# Altium PCB MB1397.PcbDoc (part 9 of 11)
Units mm, origin at the board's own origin, x right, y up, seen from the top; angles counter-clockwise.
Board outline 118.24 x 172.86 mm, 6 copper layers (Top Layer, L2_GND, L3_VCC, L4_SIG, L5_GND, Bottom Layer), stack 1.631 mm thick; 819 components, 632 nets, 2875 pads, 1523 vias.
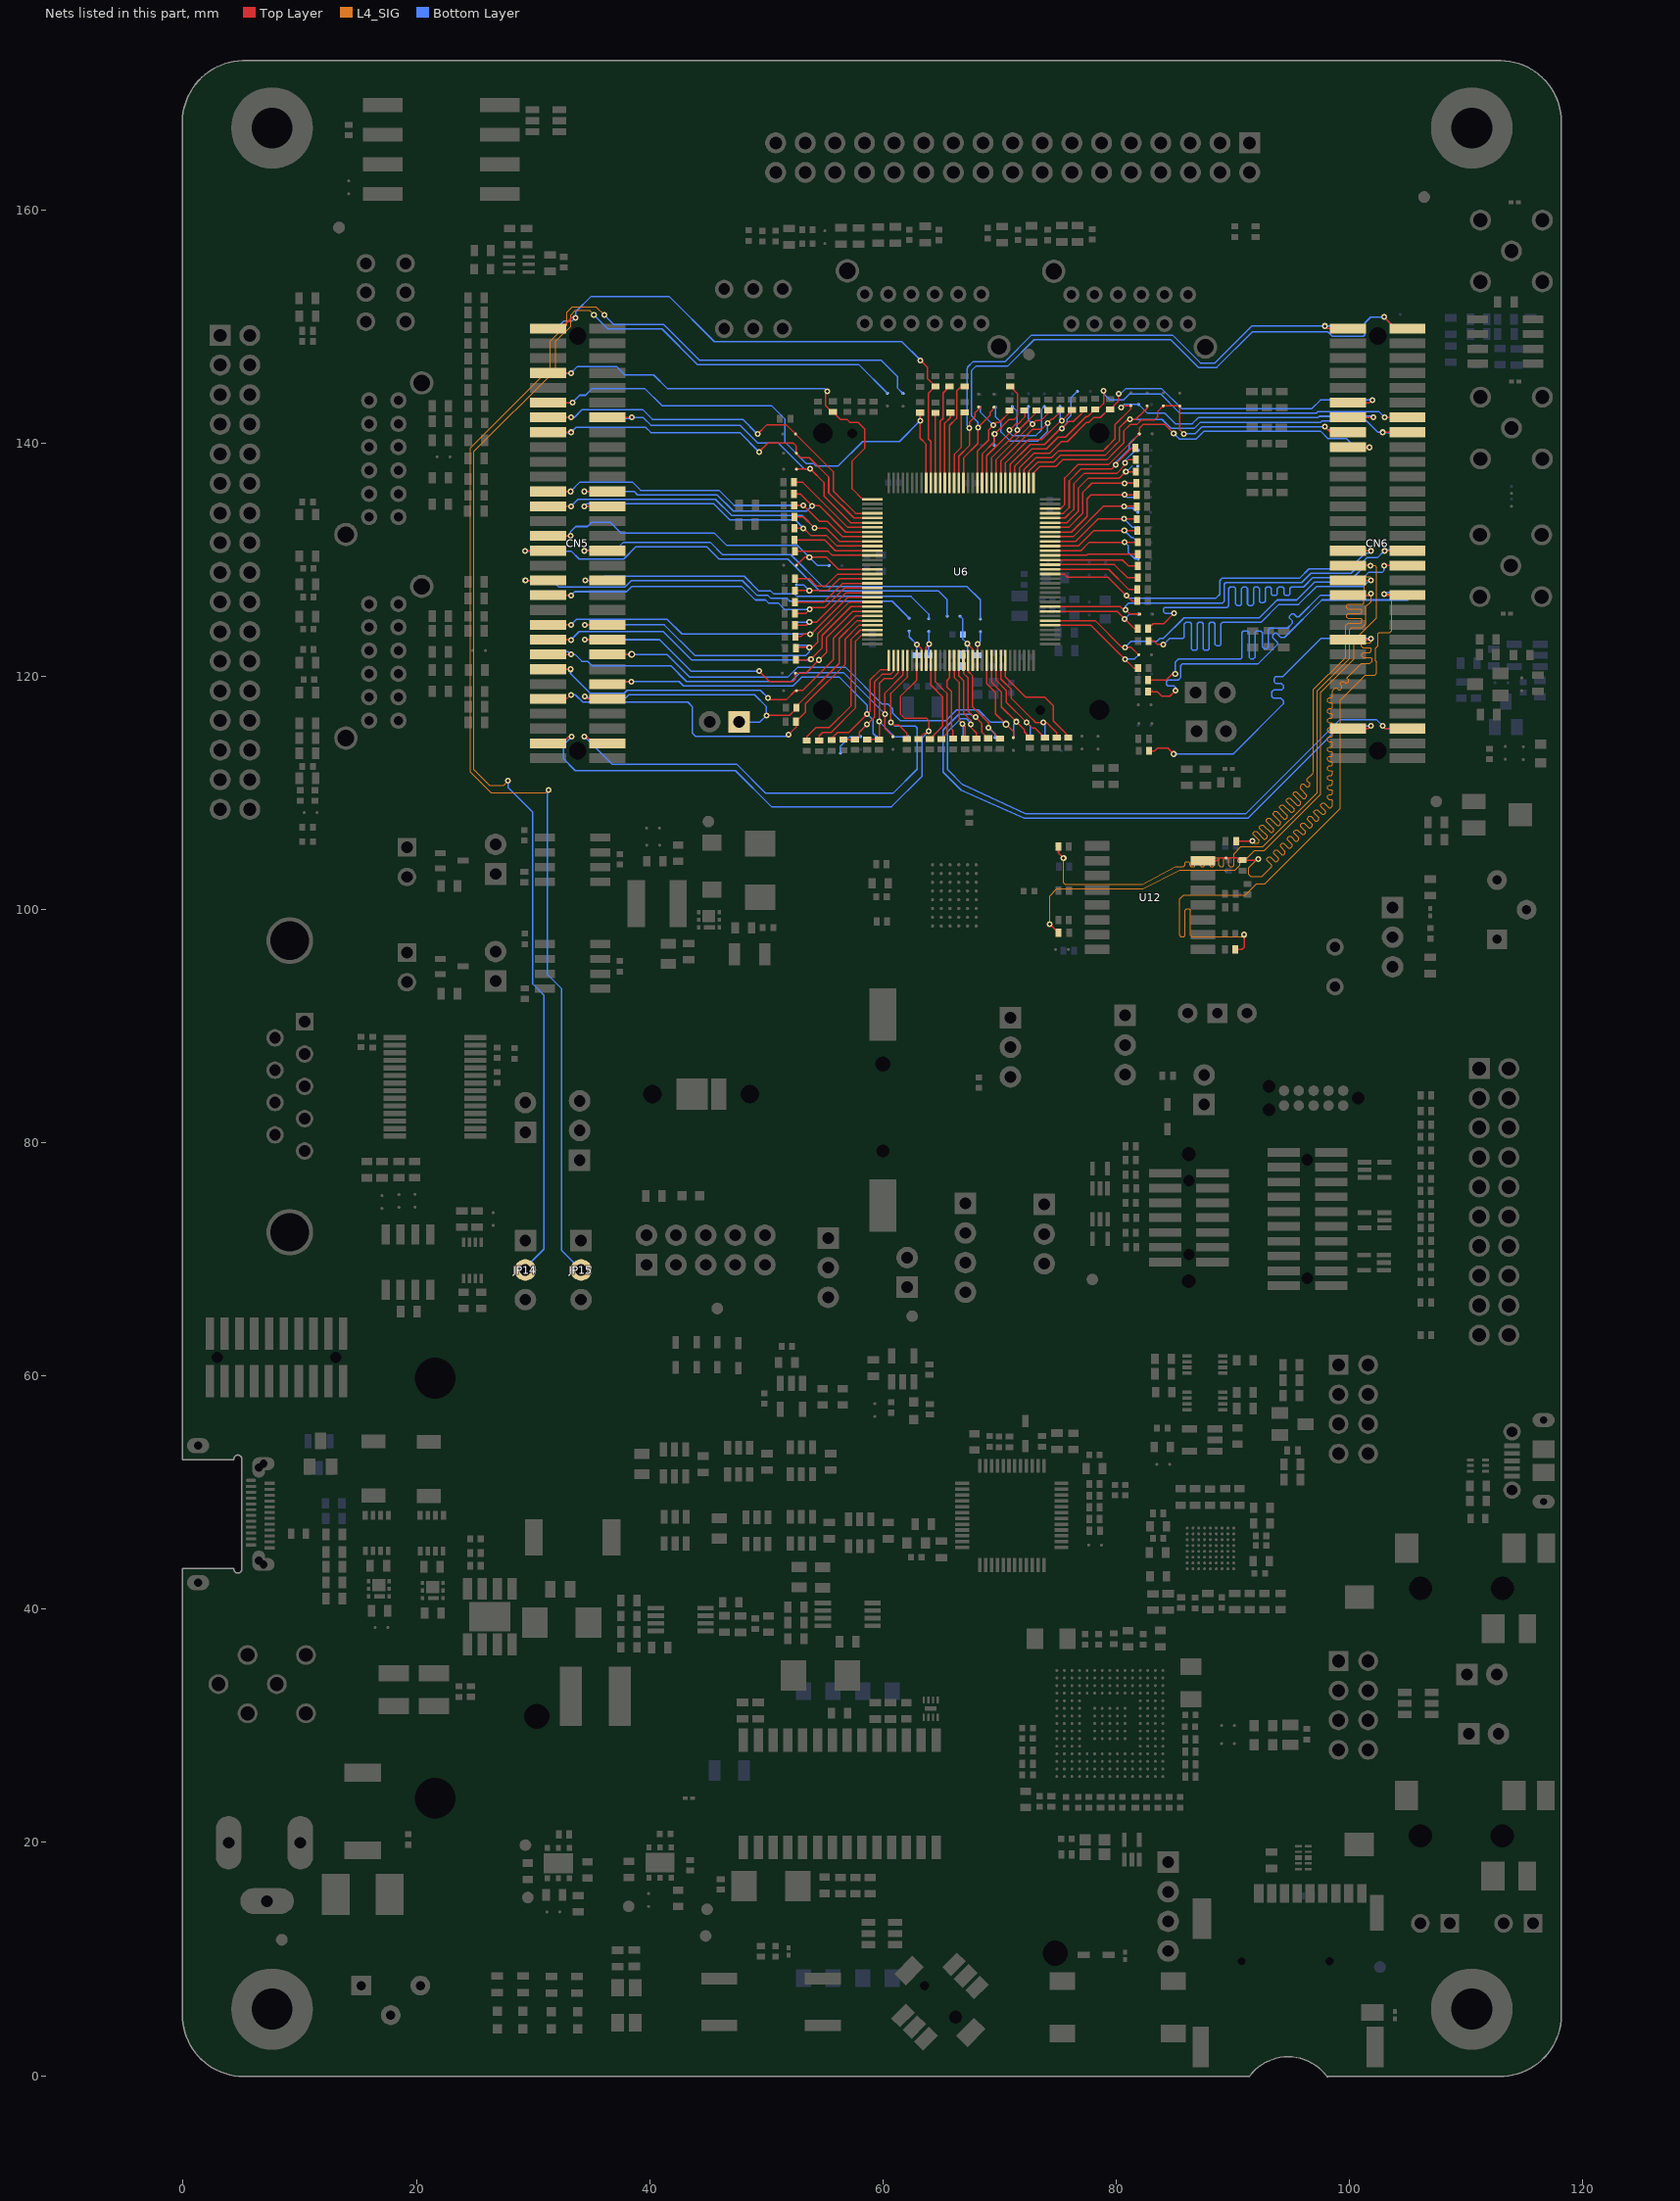
[diagram p13: the nets of this part, all layers, seen from the top]

## Via types
v1: diameter 0.508, hole 0.254, Top Layer to Bottom Layer, tented both sides, 1330 vias
v2: diameter 0.406, hole 0.203, Top Layer to Bottom Layer, tented both sides, 115 vias
v3: diameter 0.508, hole 0.254, Top Layer to Bottom Layer, 33 vias
v4: diameter 0.305, hole 0.152, Top Layer to Bottom Layer, tented both sides, 26 vias
v5: diameter 0.61, hole 0.305, Top Layer to Bottom Layer, tented both sides, 14 vias
v6: diameter 0.61, hole 0.33, Top Layer to Bottom Layer, tented both sides, 2 vias
v7: diameter 0.381, hole 0.203, Top Layer to Bottom Layer, tented both sides, 2 vias
v8: diameter 0.508, hole 0.203, Top Layer to Bottom Layer, tented both sides, 1 vias

## Nets (pads, with @x,y where several pads share a name; then routed paths per layer and width w, separated by ;. In a path a pad name is that pad's centre, name@x,y a point inside that pad or via, vN(x,y) a via of type N, cw(c..) or ccw(c..) an arc to the next point about the centre after c; other vN are vias at no path point) (continued)
PB1: R102.1 SB91.2 U6.40 | length 9.5
  Top Layer w0.127: U6.40@74.323,125.566 80.068,125.565 v1(80.729,124.907) 81.557,124.079 R102.1@81.844,124.079
  Bottom Layer w0.127: v1(80.729,124.907) 81.148,125.324 SB91.2@81.898,125.324
PB2: CN6.32 SB18.1 SB80.2 U6.41 | length 36.6
  Top Layer w0.127: U6.41@74.323,125.948 74.495,125.948 74.517,125.97 80.329,125.97 80.594,125.705 v1(80.797,125.705) 81.178,125.324 SB18.1@82.025,125.324 ; v1(102.997,130.759) CN6.32@104.965,130.761
  Bottom Layer w0.127: v1(80.797,125.705) 80.797,126.009 81.05,126.262 81.253,126.262 81.277,126.286 89.126,126.286 89.266,126.426 89.266,127.912 89.393,128.039 95.9,128.039 96.688,128.826 100.145,128.826 101.476,130.16 102.398,130.16 v1(102.997,130.759) 103.096,130.858 SB80.2@104.275,130.858
PB3: CN5.41 R107.1 U6.118 | length 31.3
  Top Layer w0.127: CN5.41@31.285,124.411 v1(33.246,124.409) ; R107.1@52.495,123.393 52.967,123.393 53.193,123.619 v1(53.739,123.619) 53.998,123.619 54.026,123.647 54.026,123.812 56.98,126.766 59.083,126.766 U6.118@59.083,126.766
  Bottom Layer w0.127: v1(33.246,124.409) 33.726,124.889 41.501,124.889 42.771,123.619 v1(53.739,123.619)
PB4: CN5.42 R109.2 SB96.1 U6.119 | length 32.7
  Top Layer w0.127: v1(34.44,124.409) CN5.42@36.385,124.411 ; R109.2@52.528,122.411 52.593,122.476 v1(53.693,122.476) 53.947,122.476 54.407,122.936 54.407,123.652 57.12,126.365 U6.119@59.083,126.366
  Bottom Layer w0.127: v1(34.44,124.409) 41.247,124.409 43.878,121.778 53.376,121.778 53.693,122.095 v1(53.693,122.476) 53.513,122.657 SB96.1@52.472,122.657
PB5: CN5.43 R112.1 U6.120 | length 32.9
  Top Layer w0.127: CN5.43@31.285,123.141 33.218,123.139 v1(33.246,123.111) ; R112.1@52.528,121.412 53.772,121.412 v1(53.82,121.46) 54.788,122.428 54.788,123.492 57.262,125.966 59.083,125.966 U6.120@59.083,125.966
  Bottom Layer w0.127: v1(33.246,123.111) 33.96,123.825 41.168,123.825 43.597,121.397 53.533,121.397 53.597,121.46 v1(53.82,121.46)
PB6: CN5.44 SB21.1 U6.121 | length 31.6
  Top Layer w0.127: v1(34.44,123.139) CN5.44@36.385,123.141 ; v1(49.375,120.444) 50.289,119.53 52.258,119.53 52.479,119.748 SB21.1@52.479,120.264 ; SB21.1@52.487,120.269 53.391,120.269 v1(54.519,121.397) 55.169,122.047 55.169,123.307 57.427,125.565 U6.121@59.083,125.566
  Bottom Layer w0.127: v1(34.44,123.139) 40.836,123.139 43.536,120.444 v1(49.375,120.444)
PB7: CN5.47 SB23.2 U6.122 | length 33.4
  Top Layer w0.127: CN5.47@31.285,120.601 v1(33.221,120.599) ; v1(50.137,118.158) 50.312,117.983 51.702,117.983 52.514,118.793 53.134,118.793 55.753,121.412 55.753,123.274 57.645,125.166 U6.122@59.083,125.166
  Bottom Layer w0.127: v1(33.221,120.599) 33.221,120.216 34.897,118.539 37.818,118.539 38.072,118.793 49.502,118.793 v1(50.137,118.158)
PB8: CN5.52 JP1.1 R123.2 U6.123 | length 35.6
  Top Layer w0.127: v1(34.44,118.285) 34.666,118.059 CN5.52@36.385,118.061 ; v1(50.01,116.634) 50.043,116.667 52.017,116.667 52.611,117.259 R123.2@52.621,117.269 ; R123.2@52.574,117.299 R123.2@52.621,117.297 ; R123.2@52.619,117.269 R123.2@52.621,117.269 ; U6.123@59.083,124.766 57.785,124.765 56.261,123.241 56.261,121.1 52.621,117.46 R123.2@52.621,117.297 ; R123.2@52.621,117.269 R123.2@52.621,117.297
  Bottom Layer w0.127: v1(34.44,118.285) 34.567,118.158 37.976,118.158 38.23,118.412 48.992,118.412 50.01,117.394 v1(50.01,116.634) 49.431,116.055 JP1.1@47.495,116.055
PB9: CN5.51 R127.1 U6.124 | length 36.7
  Top Layer w0.127: CN5.51@31.285,118.061 32.893,118.059 v1(33.246,118.412) ; v1(51.915,114.983) 52.545,115.613 R127.1@52.547,116.098 ; R127.1@52.547,116.098 53.365,116.916 53.365,117.64 53.784,118.059 53.784,118.073 53.876,118.164 53.89,118.164 56.769,121.044 56.769,123.208 57.925,124.363 U6.124@59.083,124.363
  Bottom Layer w0.127: v1(33.246,118.412) 33.627,118.412 34.262,117.777 43.279,117.777 43.66,117.396 43.66,115.11 43.914,114.856 51.788,114.856 v1(51.915,114.983)
PB10: CN6.17 SB11.1 SB71.2 U6.62 | length 34.6
  Top Layer w0.127: U6.62@74.981,134.366 75.235,134.366 75.59,134.722 75.59,137.008 76.733,138.15 79.338,138.15 79.365,138.176 SB11.1@81.978,140.788 81.978,141.262 82.118,141.402 82.166,141.453 82.319,141.605 84.145,141.605 v1(84.935,140.815) ; CN6.17@99.865,139.651 101.669,139.649 v1(101.699,139.621)
  Bottom Layer w0.127: v1(84.935,140.815) 85.402,140.345 86.863,140.345 87.536,141.018 97.508,141.018 98.143,140.383 99.736,140.383 SB71.2@100.465,139.652 ; SB71.2@100.429,139.621 v1(101.699,139.621)
PB11: CN6.15 SB8.1 SB10.1 SB67.2 U6.65 | length 35.1
  Top Layer w0.127: U6.65@72.903,136.586 72.903,137.447 73.426,137.97 74.823,137.97 75.408,138.554 79.199,138.554 79.863,139.215 80.64,139.995 80.64,141.028 81.191,141.58 81.755,141.58 82.159,141.983 83.309,141.983 83.411,142.085 83.411,142.11 83.538,142.237 83.538,142.677 84.046,143.185 SB10.1@85.443,143.185 ; SB10.1@85.443,143.172 85.443,141.145 v1(85.799,140.79) ; v1(97.889,141.399) 98.367,140.922 99.865,140.922 CN6.15@99.865,140.921
  Bottom Layer w0.127: v1(85.799,140.79) 86.769,140.79 87.379,141.399 v1(97.889,141.399) 98.143,141.145 SB67.2@99.192,141.145
PB12: CN6.16 SB7.1 SB65.2 U6.66 | length 40.5
  Top Layer w0.127: U6.66@72.503,136.586 72.502,137.549 ; SB7.1@82.649,143.185 82.649,142.974 82.039,142.364 81.999,142.364 81.658,142.024 v1(81.176,142.024) 80.988,142.024 80.259,141.295 80.259,140.157 79.972,139.87 79.591,139.487 79.046,138.938 75.202,138.938 74.615,138.351 73.266,138.351 72.522,137.607 ; v1(102.842,140.922) 104.965,140.922 CN6.16@104.965,140.921 ; 72.502,137.549 72.522,137.569 72.522,137.607 ; 72.502,137.549 72.502,137.587 72.522,137.607
  Bottom Layer w0.127: v1(81.176,142.024) 83.929,142.024 84.681,141.272 86.713,141.272 87.221,141.78 97.539,141.78 97.666,141.907 101.445,141.907 102.431,140.922 v1(102.842,140.922) 102.873,140.891 SB65.2@104.275,140.891
PB13: CN6.13 SB5.1 SB63.2 U6.67 | length 39.2
  Top Layer w0.127: U6.67@72.103,136.586 72.103,137.729 73.106,138.732 74.455,138.732 74.861,139.138 74.867,139.138 75.045,139.316 78.88,139.316 79.093,139.53 79.591,140.033 79.591,140.048 79.878,140.335 79.878,141.549 81.252,142.923 81.252,143.185 80.548,143.185 v1(80.416,143.053) ; CN6.13@99.865,142.191 99.865,142.192 v1(102.052,142.192)
  Bottom Layer w0.127: v1(80.416,143.053) 80.668,143.304 81.923,143.304 81.923,143.307 82.685,142.542 84.173,142.542 85.06,141.653 86.517,141.653 87.048,142.187 97.31,142.187 97.412,142.288 101.953,142.288 v1(102.052,142.192)
PB14: CN6.11 R35.1 U6.68 | length 37.9
  Top Layer w0.127: U6.68@71.703,136.586 71.702,137.869 72.946,139.113 74.29,139.113 75.306,140.129 75.822,140.129 77.47,141.778 77.663,141.778 78.075,142.189 78.641,142.189 79.327,142.875 R35.1@79.477,142.875 80.211,143.609 v1(80.211,144.219) ; R35.1@79.576,142.875 R35.1@79.599,142.875 ; CN6.11@99.865,143.461 99.865,143.462 101.73,143.462 v1(101.953,143.685)
  Bottom Layer w0.127: v1(80.211,144.219) 80.388,144.219 80.846,144.676 83.873,144.676 85.601,142.949 96.771,142.949 97.508,143.685 101.651,143.685 101.651,143.683 v1(101.953,143.685)
PB15: CN6.14 R36.1 U6.69 | length 40
  Top Layer w0.127: U6.69@71.303,136.586 71.303,137.975 71.321,137.993 71.321,138.029 72.786,139.494 74.013,139.494 75.029,140.51 75.662,140.51 77.417,142.265 77.576,142.265 R36.1@78.194,142.883 78.431,142.883 78.918,143.37 v1(78.918,144.475) ; R36.1@78.248,142.775 78.249,142.775 R36.1@78.268,142.753 ; v1(103.033,142.192) 104.965,142.192 CN6.14@104.965,142.191
  Bottom Layer w0.127: v1(78.918,144.475) 78.918,144.239 79.472,143.685 80.617,143.685 81.125,144.193 83.812,144.193 85.336,142.669 85.339,142.669 85.443,142.568 97.152,142.568 97.254,142.669 102.552,142.669 v1(103.033,142.192)
PC0: CN5.46 SB29.2 SB99.2 U6.22 | length 47.4
  Top Layer w0.127: CN5.46@36.385,121.871 v6(38.453,121.869) ; U6.22@68.903,121.346 68.903,119.362 69.652,118.613 69.652,116.784 v6(70.549,115.888) 71.219,115.217 SB29.2@71.219,114.694
  Bottom Layer w0.127: SB99.2@36.998,121.895 37.023,121.869 v6(38.453,121.869) 41.478,121.869 43.411,119.936 51.864,119.936 52.705,120.777 56.769,120.777 59.944,117.602 60.452,117.602 60.833,117.221 60.833,116.84 61.468,116.202 65.405,116.202 66.322,117.119 68.174,117.119 69.215,116.078 70.358,116.078 v6(70.549,115.888)
PC1: R130.2 SB115.2 U6.23 | length 9.8
  Top Layer w0.127: U6.23@69.303,121.346 69.301,119.504 70.155,118.651 70.155,117.373 v1(71.425,116.103) 72.128,115.4 72.128,115.225 R130.2@72.603,114.75 72.796,114.75 R130.2@72.796,114.739
  Bottom Layer w0.127: SB115.2@71.219,114.694 71.219,115.898 v1(71.425,116.103) v1@71.598,116.103
PC2: R133.2 SB113.2 U6.24 | length 10
  Top Layer w0.127: U6.24@69.703,121.346 69.703,119.644 70.561,118.786 70.561,117.793 v1(72.319,116.035) 72.784,115.57 73.016,115.57 73.848,114.739 R133.2@73.889,114.739 ; R133.2@73.889,114.738 R133.2@73.889,114.738
  Bottom Layer w0.127: v1(72.319,116.035) 72.616,115.738 ; 72.603,115.026 72.616,115.014 ; SB113.2@72.616,114.696 72.616,115.014 ; 72.616,115.776 72.616,115.738 ; 72.616,115.014 72.616,115.738
PC3: R131.2 SB114.2 U6.25 | length 10.5
  Top Layer w0.127: U6.25@70.103,121.346 70.122,121.346 70.122,119.766 71.012,118.876 71.012,118.106 72.778,116.34 ; 72.793,116.325 73.09,116.027 v1(73.736,116.027) 74.038,116.027 74.889,115.179 74.889,114.75 R131.2@74.888,114.75
  Bottom Layer w0.127: v1(73.736,116.027) 73.886,115.877 73.886,115.014 ; SB114.2@73.886,114.694 73.886,115.014 ; 73.889,115.016 73.886,115.014
PC4: R116.2 SB100.2 U6.37 | length 10.4
  Top Layer w0.127: U6.37@74.323,124.363 U6.37@74.323,124.366 77.841,124.366 v1(80.744,121.46) 81.504,120.701 R116.2@81.871,120.701
  Bottom Layer w0.127: v1(80.744,121.46) 81.542,121.46 SB100.2@81.922,121.841
PC5: CN6.34 SB20.2 U6.38 | length 36.2
  Top Layer w0.127: U6.38@74.323,124.766 78.202,124.765 80.49,122.476 v1(80.744,122.476) 81.29,122.476 SB20.2@81.925,121.844 ; v1(102.969,129.489) CN6.34@104.965,129.491
  Bottom Layer w0.127: v1(80.744,122.476) 81.277,123.01 83.513,123.01 83.741,123.238 84.046,123.238 85.824,125.016 92.271,125.016 93.795,126.54 95.479,126.54 97.003,128.064 100.81,128.064 101.674,128.928 102.842,128.928 102.969,129.055 v1(102.969,129.489)
PC6: CN6.2 SB9.2 SB49.2 U6.80 | length 57
  Top Layer w0.127: U6.80@66.903,136.586 66.904,136.586 66.904,138.709 68.146,139.951 v1(68.146,141.323) 69.197,142.377 69.197,142.634 SB9.2@69.642,143.078 ; v1(102.969,150.797) 103.957,149.812 104.965,149.812 CN6.2@104.965,149.811
  Bottom Layer w0.127: v1(68.146,141.323) 68.146,141.78 67.612,142.314 67.612,146.225 67.993,146.606 70.711,146.606 72.972,148.867 84.656,148.867 87.043,146.479 88.618,146.479 91.666,149.527 98.143,149.527 98.524,149.146 101.191,149.146 101.318,149.273 101.318,150.289 101.826,150.797 v1(102.969,150.797) 103.822,149.944 SB49.2@104.366,149.944
PC7: CN6.1 SB6.2 SB50.2 U6.81 | length 50.1
  Top Layer w0.127: U6.81@66.503,136.586 66.502,138.872 67.409,139.779 v1(67.409,141.272) 67.409,141.755 67.892,142.237 67.892,142.591 68.402,143.101 ; v1(97.889,150.035) 98.113,149.812 99.865,149.812 CN6.1@99.865,149.811
  Bottom Layer w0.127: v1(67.409,141.272) 67.231,141.45 67.231,146.383 67.257,146.408 67.257,146.505 67.739,146.987 70.482,146.987 72.743,149.248 84.833,149.248 87.221,146.86 88.461,146.86 91.636,150.035 v1(97.889,150.035) 97.892,150.038 99.195,150.038 SB50.2@99.195,150.035
PC8: CN5.1 R26.2 SB51.2 U6.87 | length 49.2
  Top Layer w0.127: CN5.1@31.285,149.811 32.385,149.809 33.322,150.746 v1(33.652,150.746) ; v1(63.218,147.089) 63.802,146.505 63.802,145.537 R26.2@64.501,144.838 ; U6.87@64.103,136.586 64.102,140.134 63.906,140.332 63.906,144.272 64.47,144.838 R26.2@64.501,144.838 ; R26.2@64.501,144.838 R26.2@64.501,144.838
  Bottom Layer w0.127: SB51.2@31.918,149.809 32.004,149.809 32.662,150.467 33.373,150.467 v1(33.652,150.746) 33.652,151.254 34.973,152.575 41.653,152.575 45.54,148.689 61.615,148.689 v1(63.218,147.089)
PC9: CN5.11 R49.2 U6.88 | length 44.2
  Top Layer w0.127: CN5.11@31.285,143.461 31.285,143.462 v1(33.373,143.462) ; R49.2@63.19,142.601 v1(63.19,141.907) 63.19,140.414 63.703,139.901 U6.88@63.703,136.586
  Bottom Layer w0.127: v1(33.373,143.462) 34.006,144.094 34.493,144.094 35.075,144.676 39.571,144.676 41.044,143.203 50.442,143.203 51.61,142.034 51.61,140.053 53.439,138.224 54.049,138.224 54.251,138.022 56.157,138.022 58.265,140.129 61.412,140.129 v1(63.19,141.907)
PC10: CN5.13 SB12.2 SB64.2 U6.100 | length 35.5
  Top Layer w0.127: CN5.13@31.285,142.191 33.244,142.189 v1(33.246,142.192) ; v1(49.248,140.764) 50.028,141.544 51.734,141.544 ; 52.288,140.988 51.734,141.544 ; U6.100@59.083,133.966 57.661,133.965 55.733,135.893 55.733,137.546 51.735,141.544
  Bottom Layer w0.127: SB64.2@31.971,142.24 32.019,142.192 v1(33.246,142.192) 33.531,142.192 34.214,142.875 39.39,142.875 40.229,142.034 47.976,142.034 v1(49.248,140.764)
PC11: CN5.15 SB13.2 SB68.2 U6.101 | length 34.3
  Top Layer w0.127: CN5.15@31.285,140.921 31.285,140.922 v1(33.246,140.922) ; v1(49.375,139.24) 50.137,140.002 52.296,140.002 52.575,139.725 SB13.2@52.575,139.118 ; SB13.2@52.574,139.119 SB13.2@52.575,139.118 ; U6.101@59.083,133.566 57.506,133.566 55.352,135.72 55.352,137.074 53.693,138.732 52.959,138.732 SB13.2@52.575,139.118
  Bottom Layer w0.127: SB68.2@31.943,140.891 33.218,140.891 v1(33.246,140.922) 33.675,141.351 39.644,141.351 40.104,140.891 47.724,140.891 v1(49.375,139.24)
PC12: CN5.14 SB15.2 SB66.2 U6.102 | length 29.8
  Top Layer w0.127: CN5.14@36.385,142.191 36.386,142.192 v1(38.453,142.192) ; SB15.2@52.527,137.765 SB15.2@52.586,137.765 ; SB15.2@52.586,137.763 SB15.2@52.586,137.765 ; U6.102@59.083,133.166 59.083,133.167 57.229,133.167 54.971,135.423 54.971,136.578 v1(53.772,137.777) 53.757,137.765 SB15.2@52.586,137.765
  Bottom Layer w0.127: SB66.2@37.048,142.113 38.374,142.113 v1(38.453,142.192) 39.439,142.192 40.104,141.526 47.724,141.526 49.235,140.015 51.011,140.015 53.254,137.775 v1(53.772,137.777)
PC13: CN5.57 R141.2 U6.7 | length 51.9
  Top Layer w0.127: CN5.57@31.285,114.251 32.487,114.249 33.043,114.805 v1(33.297,114.805) ; U6.7@62.903,121.346 62.903,119.672 61.493,118.262 61.493,116.759 61.872,116.38 63.751,116.38 63.929,116.202 v1(63.929,115.288) 63.757,115.115 63.543,115.115 63.045,114.615 R141.2@63.043,114.617
  Bottom Layer w0.127: v1(33.297,114.805) 32.611,114.12 32.611,112.928 33.627,111.91 47.343,111.91 50.442,108.811 60.729,108.811 63.345,111.427 63.345,114.704 v1(63.929,115.288)
PC14: R315.2 SB88.1 U6.8 | length 3.9
  Top Layer w0.127: v1(62.903,122.73) 63.302,122.331 U6.8@63.303,121.346
  Bottom Layer w0.127: SB88.1@62.255,123.868 62.255,123.378 v1(62.903,122.73) R315.2@62.903,121.796
PC14_E: CN5.35 SB88.2 | length 36.7
  Top Layer w0.127: v1(29.337,128.219) CN5.35@31.285,128.221
  Bottom Layer w0.127: v1(29.337,128.219) 29.365,128.191 31.648,128.191 32.205,127.635 37.864,127.635 38.423,128.191 47.948,128.191 49.218,126.921 50.137,126.921 50.391,126.667 51.788,126.667 52.017,126.439 60.785,126.439 SB88.2@62.255,124.968
PC15: R314.2 SB87.2 U6.9 | length 3.6
  Top Layer w0.127: U6.9@63.703,121.346 63.703,122.497 v1(63.957,122.751)
  Bottom Layer w0.127: R314.2@63.906,121.796 63.906,122.7 v1(63.957,122.751) 63.929,122.779 SB87.2@63.929,123.837
PC15_E: CN5.36 SB87.1 | length 33.3
  Top Layer w0.102: v1(34.468,128.219) v1(34.468,128.219) CN5.36@36.385,128.221
  Bottom Layer w0.127: v1(34.468,128.219) 35.773,128.219 36.126,128.572 48.105,128.572 49.375,127.302 50.391,127.302 50.645,127.048 52.423,127.048 52.626,126.845 62.408,126.845 63.929,125.324 SB87.1@63.929,124.937
PD0: R83.1 U6.108 | length 7
  Top Layer w0.127: R83.1@52.422,131.695 54.988,131.694 55.918,130.767 59.083,130.767 U6.108@59.083,130.766
PD1: R85.1 U6.109 | length 6.2
  Top Layer w0.127: R85.1@52.444,130.708 55.321,130.708 55.664,130.366 U6.109@58.519,130.366
PD2: CN5.29 SB17.2 SB123.1 U6.112 | length 33
  Top Layer w0.127: CN5.29@31.285,132.031 v1(33.218,132.029) ; SB17.2@52.593,129.515 53.279,130.2 v1(53.693,130.2) 55.169,130.2 56.203,129.164 U6.112@58.519,129.164
  Bottom Layer w0.127: v1(33.218,132.029) 33.218,132.405 33.652,132.839 34.668,132.839 35.024,133.195 36.624,133.195 37.564,132.255 45.565,132.255 46.581,131.239 52.652,131.239 v1(53.693,130.2) 54.406,129.487 SB123.1@55.38,129.487
PD3: R90.1 U6.113 | length 7.3
  Top Layer w0.127: R90.1@52.469,128.366 53.688,128.364 54.331,127.721 55.054,127.721 56.098,128.765 U6.113@59.083,128.766
PD4: R94.1 SB89.2 U6.114 | length 8.3
  Top Layer w0.127: R94.1@52.472,127.341 v1(53.693,127.34) 55.25,127.34 56.276,128.367 59.083,128.367 U6.114@59.083,128.366
  Bottom Layer w0.127: SB89.2@52.597,127.838 53.195,127.838 v1(53.693,127.34)
PD5: R97.1 U6.115 | length 7.3
  Top Layer w0.127: R97.1@52.469,126.365 54.955,126.365 56.556,127.965 U6.115@59.083,127.966
PD6: CN5.37 R98.1 U6.116 | length 31.1
  Top Layer w0.127: CN5.37@31.285,126.951 33.218,126.949 v1(33.246,126.921) ; R98.1@52.469,125.375 53.365,125.374 v1(53.721,125.73) 53.896,125.905 55.037,125.905 56.698,127.566 59.083,127.566 U6.116@59.083,127.566
  Bottom Layer w0.127: v1(33.246,126.921) 33.579,127.254 38.024,127.254 38.453,127.683 47.917,127.683 49.06,126.54 49.929,126.54 50.183,126.286 51.026,126.286 51.582,125.73 v1(53.721,125.73)
PD7: R101.1 SB92.2 U6.117 | length 8.9
  Top Layer w0.127: R101.1@52.469,124.384 53.442,124.384 v1(53.693,124.635) 54.308,124.635 56.838,127.165 U6.117@59.083,127.166
  Bottom Layer w0.127: SB92.2@52.594,124.612 52.619,124.635 v1(53.693,124.635)
PD8: R34.1 SB55.2 U6.70 | length 13.6
  Top Layer w0.127: U6.70@70.903,136.586 70.902,138.151 72.629,139.878 73.856,139.878 75.23,141.252 v1(75.329,141.252) 75.918,141.841 76.332,141.841 76.957,142.464 77.239,142.745 R34.1@77.267,142.745
  Bottom Layer w0.127: v1(75.329,141.252) 75.738,141.661 75.738,141.669 75.796,141.727 75.796,142.055 76.124,142.382 76.124,143.878 76.67,144.424 SB55.2@76.67,144.424
PD9: R37.1 SB56.2 U6.71 | length 11.6
  Top Layer w0.127: U6.71@70.503,136.586 70.503,138.3 72.49,140.288 73.631,140.288 75.255,141.912 v1(75.352,141.912) 76.164,142.725 R37.1@76.251,142.725